# Altium PCB Brake Module PCB R4.PcbDoc (part 1 of 2)
Units mil, origin at the board's own origin, x right, y up, seen from the top; angles counter-clockwise.
Board outline 3490.03 x 3910.03 mil, 4 copper layers (Top Layer, Int1 (GND), Int2 (PWR), Bottom Layer), stack 53.912 mil thick; 171 components, 96 nets, 563 pads, 228 vias.
Unrouted connection lines stored in the file: 50.
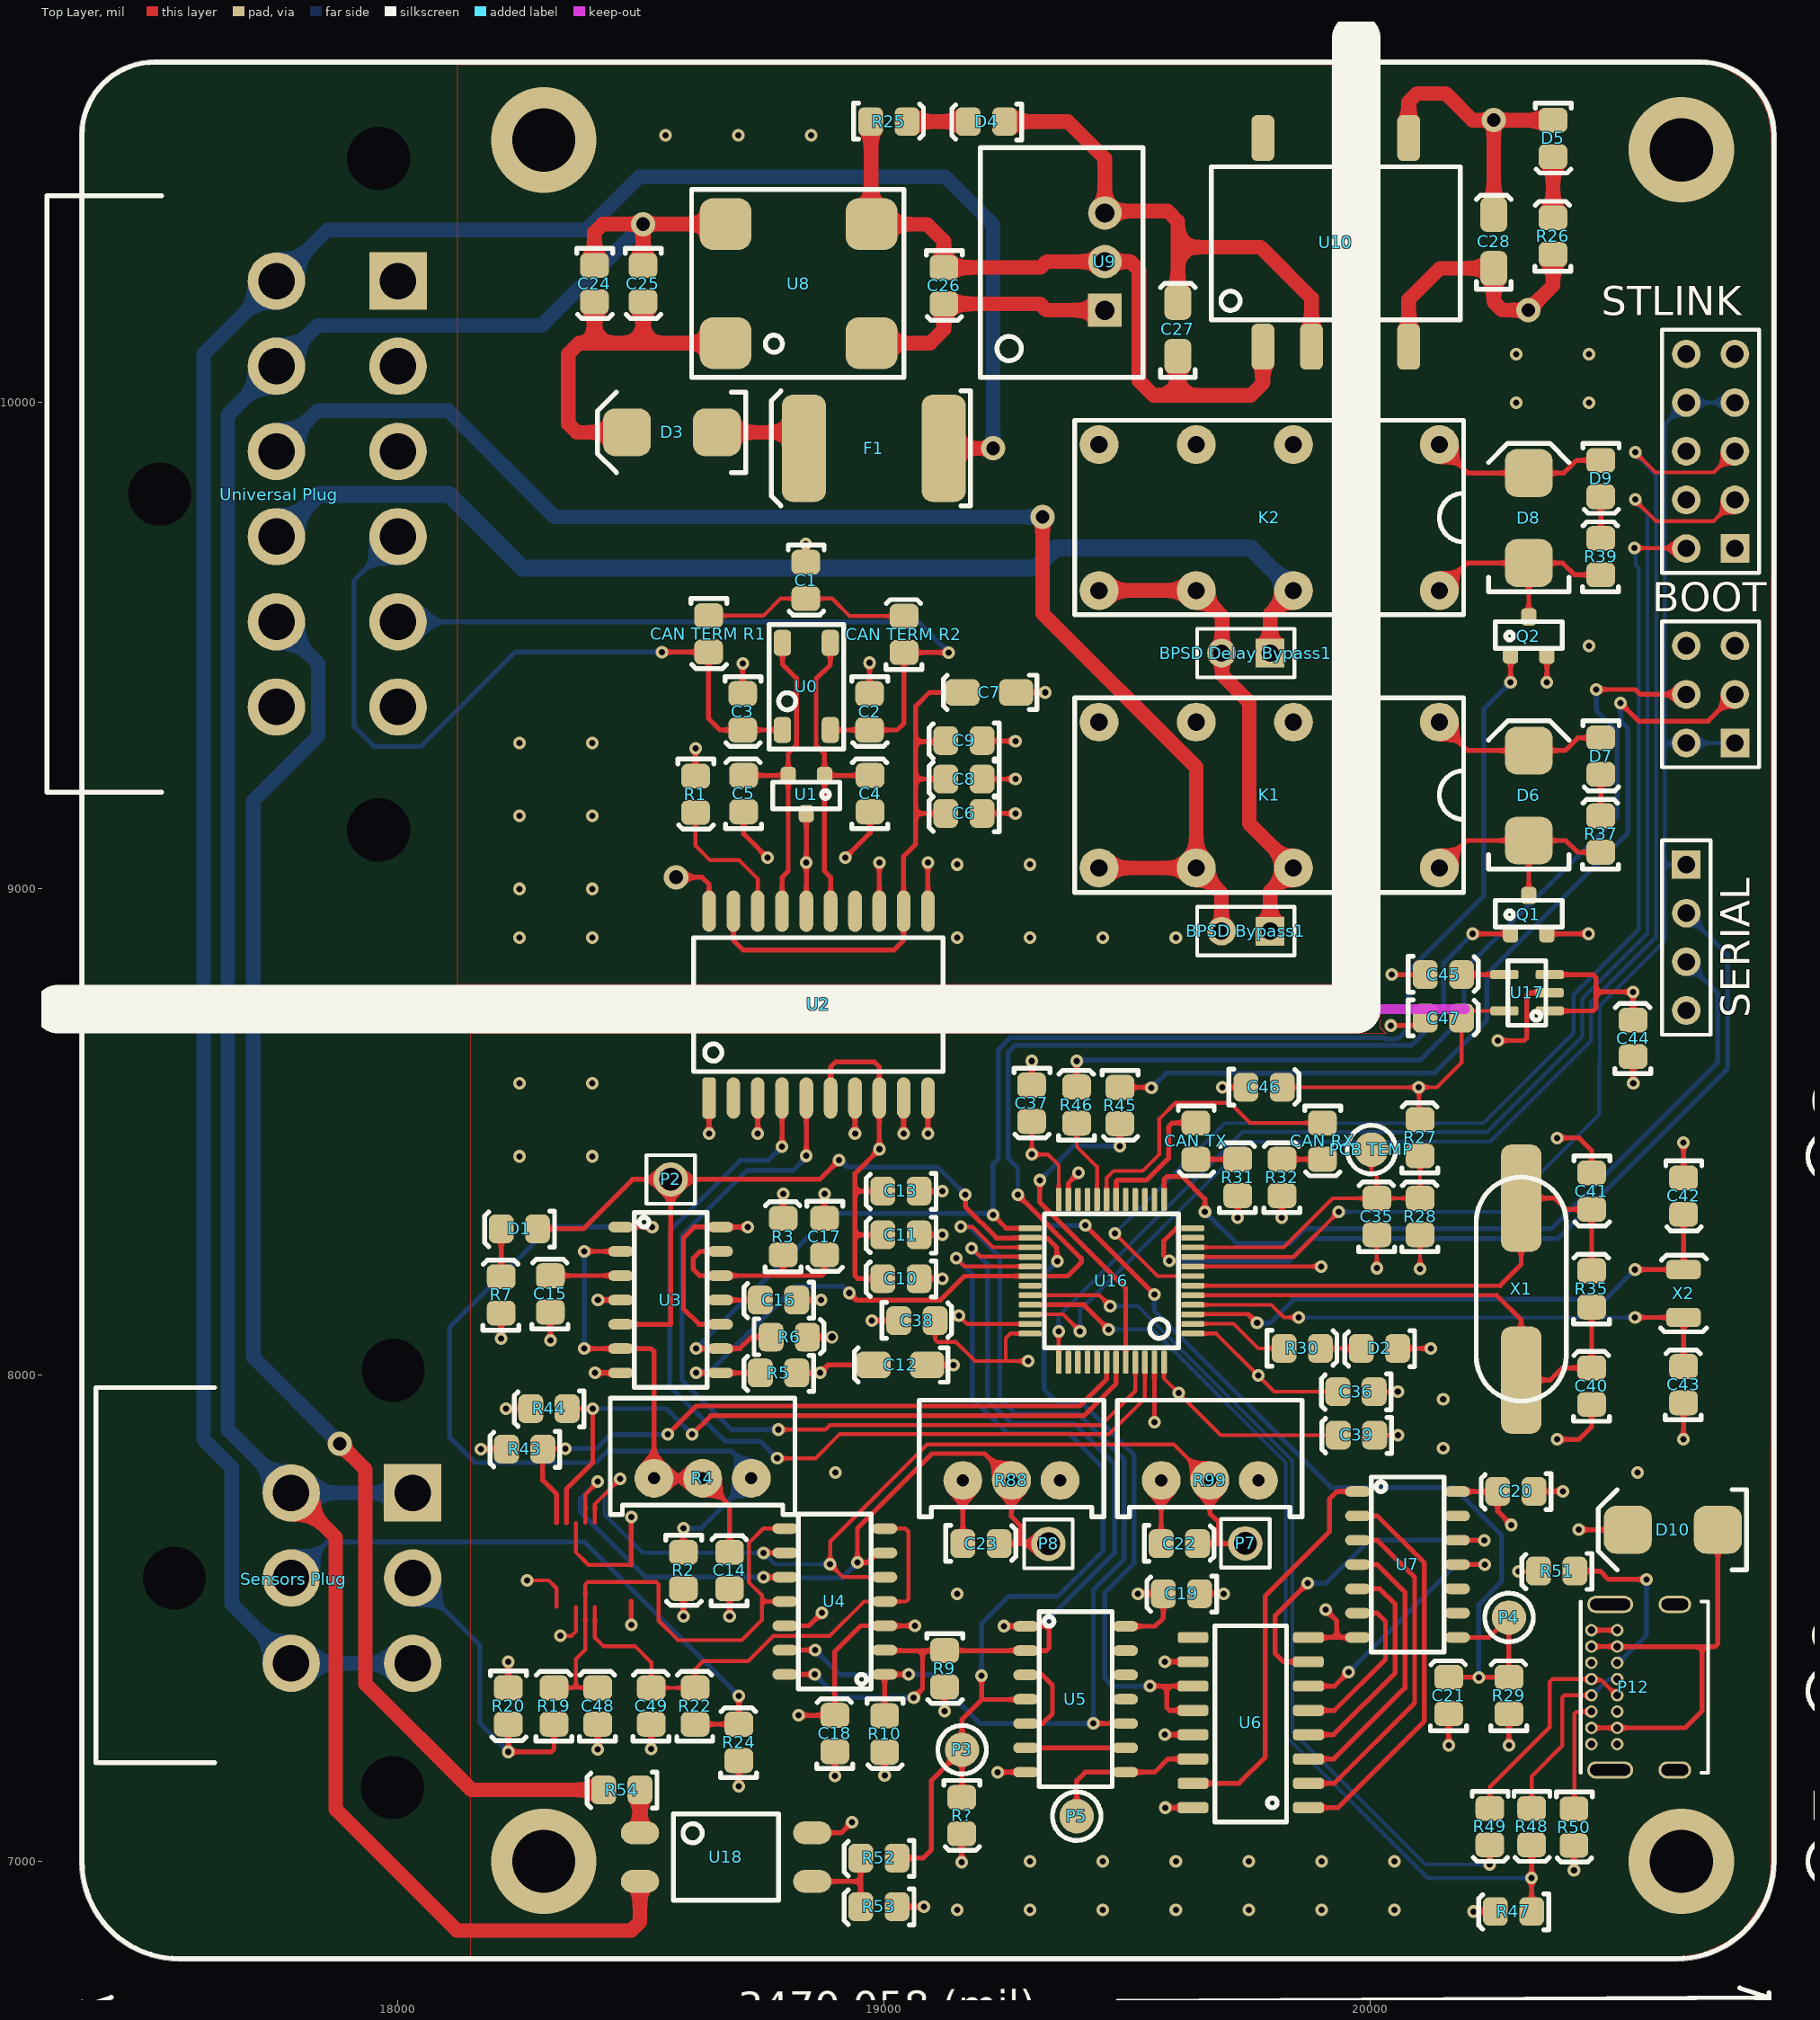
[diagram p0: Top Layer view]
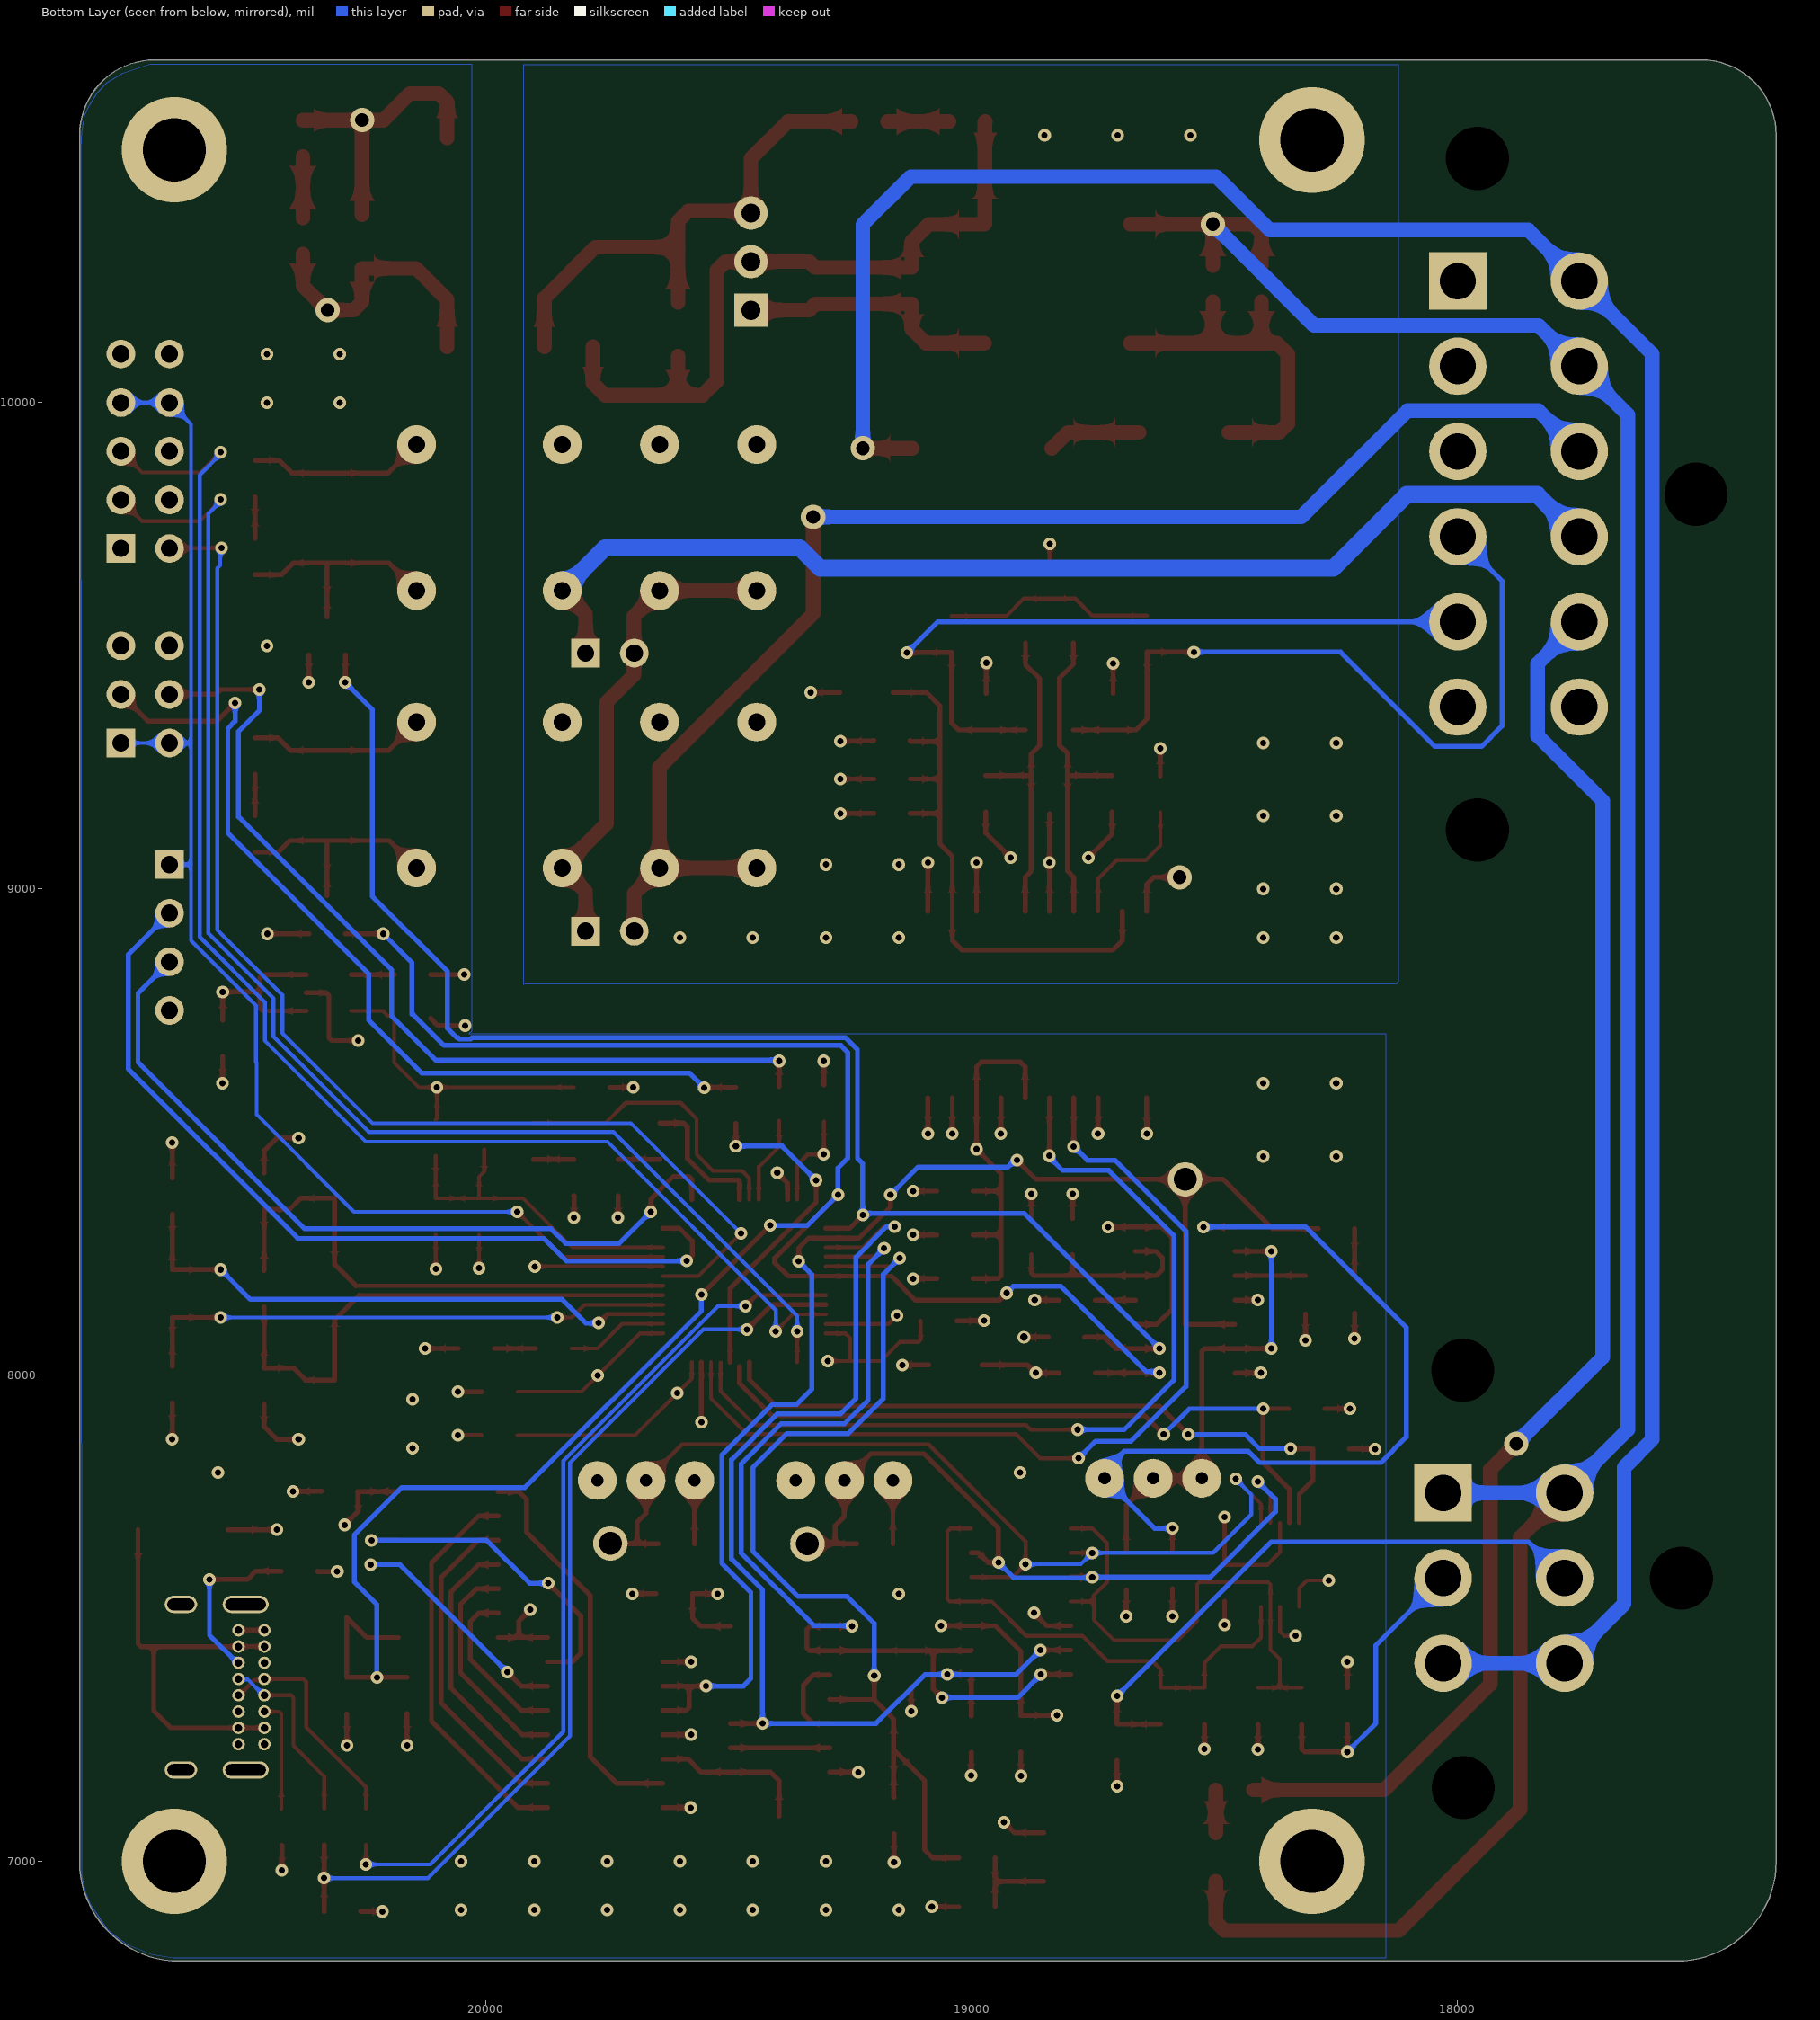
[diagram p1: Bottom Layer view, seen from below]
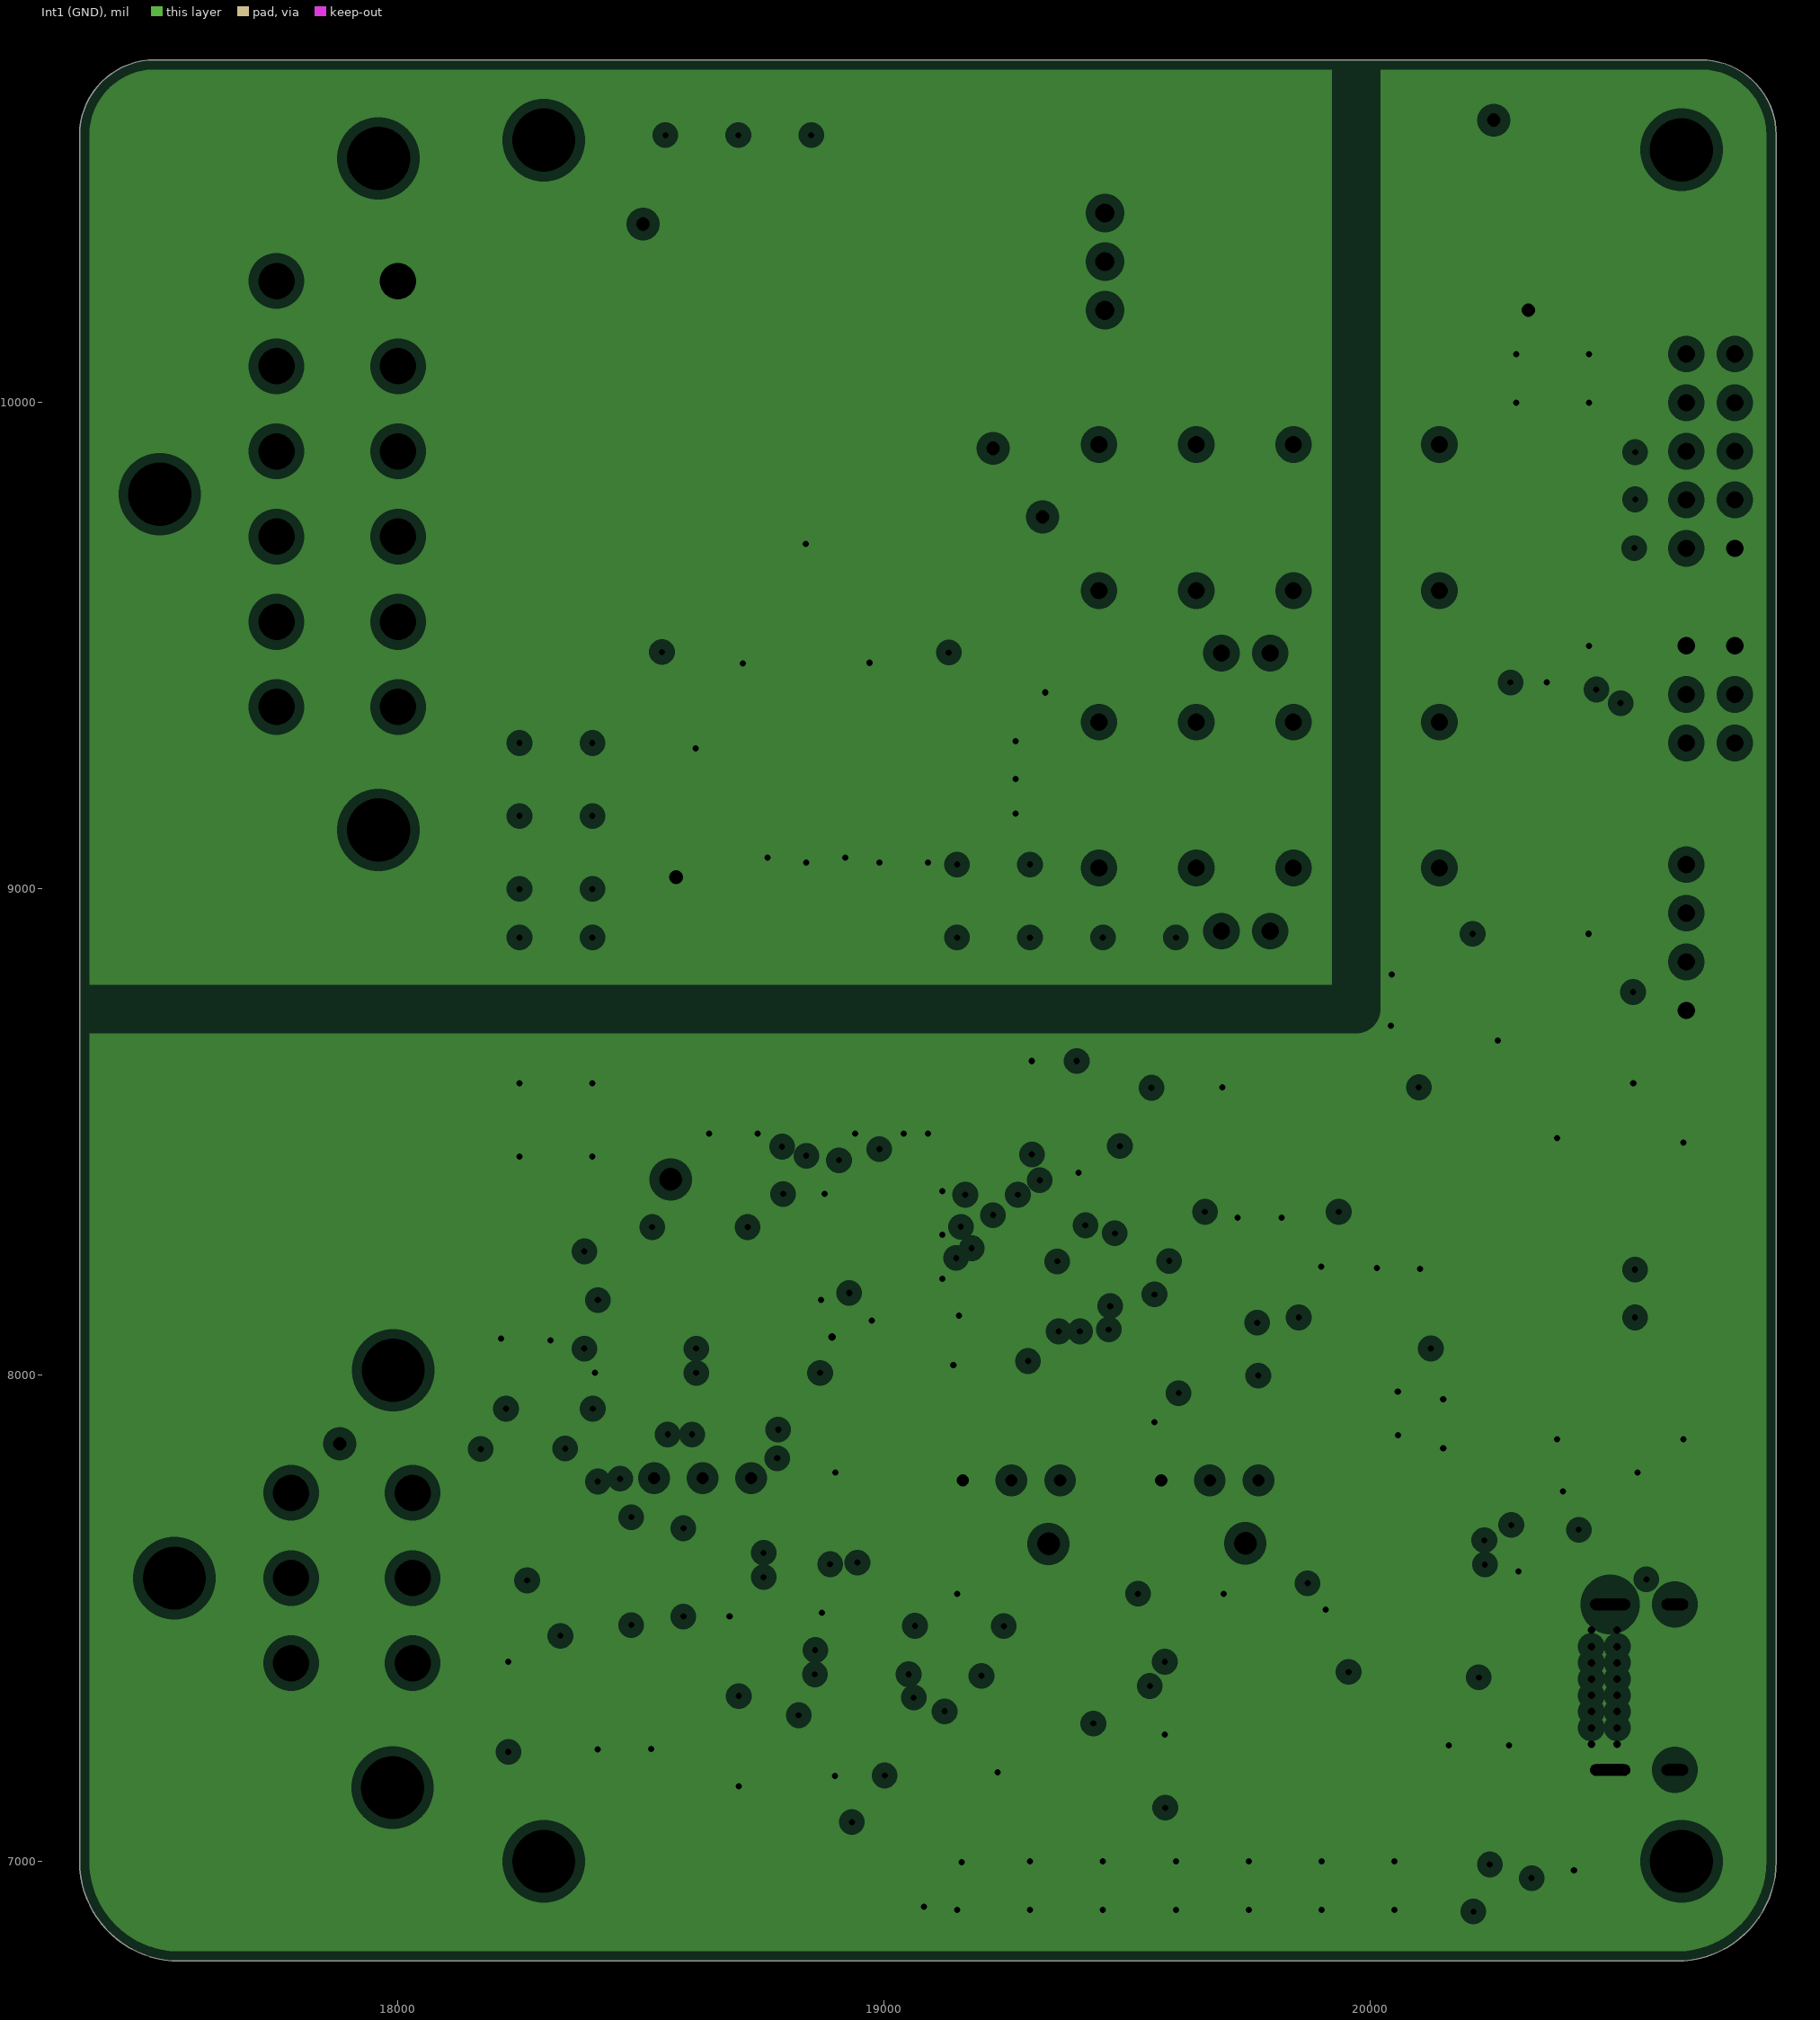
[diagram p2: Int1 (GND), clearances drawn from the general rule]
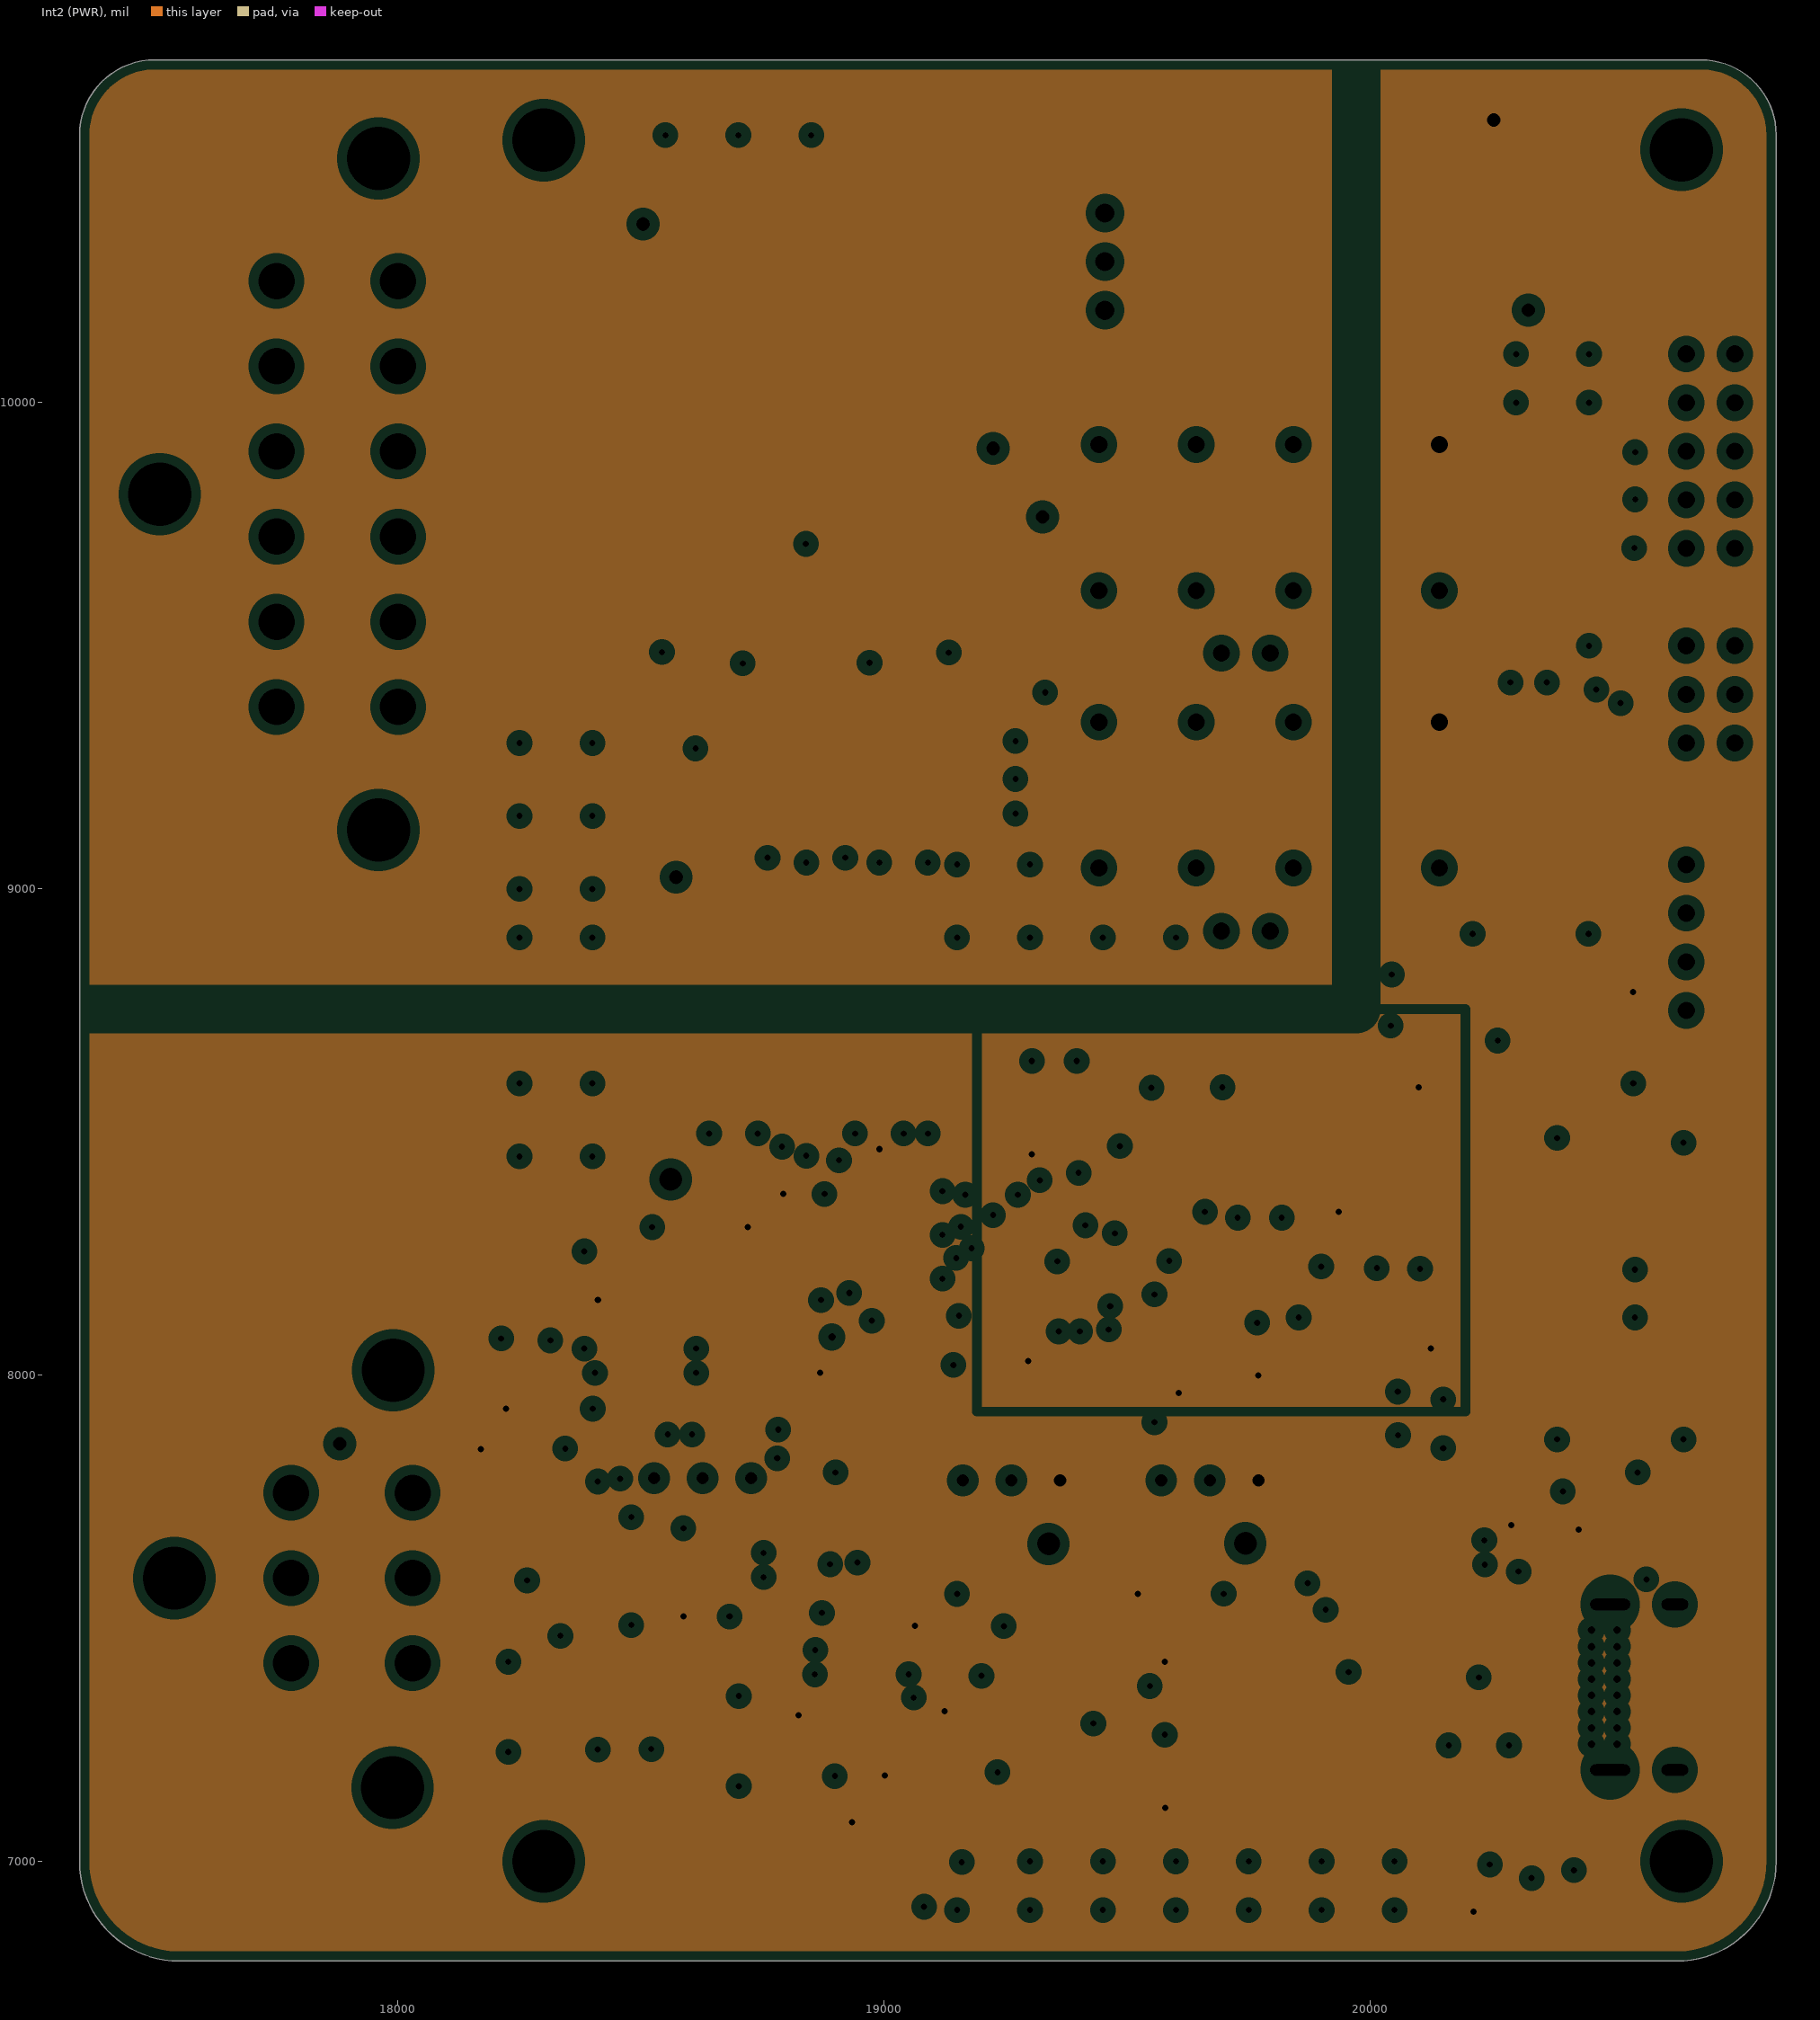
[diagram p3: Int2 (PWR), clearances drawn from the general rule]

## Layer stack, top to bottom
Top Solder: solder mask 1, SM-001, Dk 4
Top Layer: signal copper 1.378
Dielectric 1: prepreg 5.1, PP-017, Dk 4.3
Dielectric 2: prepreg 5.1, PP-017, Dk 4.3
Int1 (GND): plane copper 1.378, net (Multiple Nets)
Dielectric 3: core 28, Core-039, Dk 4.8
Int2 (PWR): plane copper 1.378, net (Multiple Nets)
Dielectric 4: prepreg 5.1, PP-017, Dk 4.3
Dielectric 5: prepreg 5.1, PP-017, Dk 4.3
Bottom Layer: signal copper 1.378
Bottom Solder: solder mask 1, SM-001, Dk 4

## Board outline
17344.99,7000 17344.98,10550 cw(c17350,10550) 17344.99,10550.05 cw(c17500,10550) 17500,10705.01 20690,10705.01 cw(c20690,10700) 20692.13,10704.54 cw(c20680,10550) 20835.01,10550 cw(c20830,10550) 20835.01,10549.96 20835.01,7000 cw(c20630,7000) 20630,6794.98 17550,6794.98 cw(c17550,6800) 17549.94,6794.98 cw(c17550,7000)

## Design rules (kind name [scope] priority, off if disabled: settings)
Clearance [All] p1: gap=10 ignorepadtopadclearanceinfootprint=FALSE except(0: Arc-Arc Arc-Track Arc-Hole Track-Track Track-Hole SMDPad-Hole THPad-Hole Via-Hole Fill-Hole Poly-Hole Region-Hole Text-Hole; 4: SMDPad-SMDPad; 6: Arc-SMDPad Track-SMDPad THPad-THPad; 8: Arc-THPad Track-THPad SMDPad-THPad)
Height [All] p1: minheight=0 maxheight=1968.5 prefheight=500
PlaneClearance [All] p1: clearance=20
PlaneConnect [All] p1: planeconnectstyle=Relief reliefexpansion=20 reliefentries=4 reliefconductorwidth=31.5 reliefairgap=10
PolygonConnect [All] p1: connectstyle=Relief reliefconductorwidth=31.5 reliefentries=4 polygonreliefangle="90 Angle" airgapwidth=10
RoutingVias [All] p1: holewidth=13 width=26 viastyle="Through Hole" minholewidth=8 minwidth=10 maxholewidth=13 maxwidth=26
SolderMaskExpansion [All] p1: expansion=4 istentingtop=FALSE
Width [All] p1: maxlimit=118.11 minlimit=5 preferedwidth=19.68
27 further rules are at their usual default settings.

## Classes and differential pairs
component class U_Isolation: C? "MC SENSE AMP OUT TP?" R52 R53 R54 R? U18 U?
component class "Top Level": "Sensors Plug" "U_Sensor Plug" "Universal Plug"
component class U_BSPD: C14 C15 C16 C17 C18 C19 C20 C21 C22 C23 D1 P1 P2 P3 P4 P5 P6 P7 P8 P9 P10 P11 R2 R3 R4 R5 R6 R7 R9 R10 R29 R88 R99 R? U3 U4 U5 U6 U7
component class U_CAN: C1 C2 C3 C4 C5 C6 C7 C8 C9 C10 C11 C12 C13 "CAN RX TP" "CAN TERM R1" "CAN TERM R2" "CAN TX TP" "CANH TP1" "CANL TP1" R1 U0 U1 U2
component class "U_Input Filter": C48 C49 R19 R20 R22 R24
component class U_Microcontroller: BOOT C35 C36 C37 C38 C39 C40 C41 C42 C43 C44 C45 C46 C47 "CAN RX" "CAN TX" D2 D10 P12 "PCB TEMP" R27 R28 R30 R31 R32 R35 R43 R44 R45 R46 R47 R48 R49 R50 R51 SERIAL STLINK U16 U17 X1 X2
component class "U_Power Supply": "0V (ISO) TP" "0V TP" "5V (ISO) TP" "5V TP" C24 C25 C26 C27 C28 D3 D4 D5 F1 "GLV+ TP" "GLV- TP" R25 R26 U8 U9 U10
component class "U_Safety Loops": "BPSD Bypass1" "BPSD Delay Bypass1" D6 D7 D8 D9 K1 K2 Q1 Q2 R37 R39

## Components (designator, comment, footprint, x,y, rotation, side; value= is the part's Value field where it differs from the comment)
"0V (ISO) TP" "0mm" "SMD Test Point" 21300,8450 r90 top
"0V TP" "0mm" "SMD Test Point" 20950,8450 r90 top
"5V (ISO) TP" "0mm" "SMD Test Point" 22450,8450 r90 top
"5V TP" "0mm" "SMD Test Point" 23600,8450 r90 top